# Altium PCB iMX6 Rex Development Baseboard V1I1_PCB.PcbDoc (part 4 of 6)
Units mm, origin at the board's own origin, x right, y up, seen from the top; angles counter-clockwise.
Board outline 135 x 110 mm, 6 copper layers (L1, L2, L3, L4 (PWR), L5, L6), stack 1.542 mm thick; 580 components, 458 nets, 2100 pads, 1201 vias.
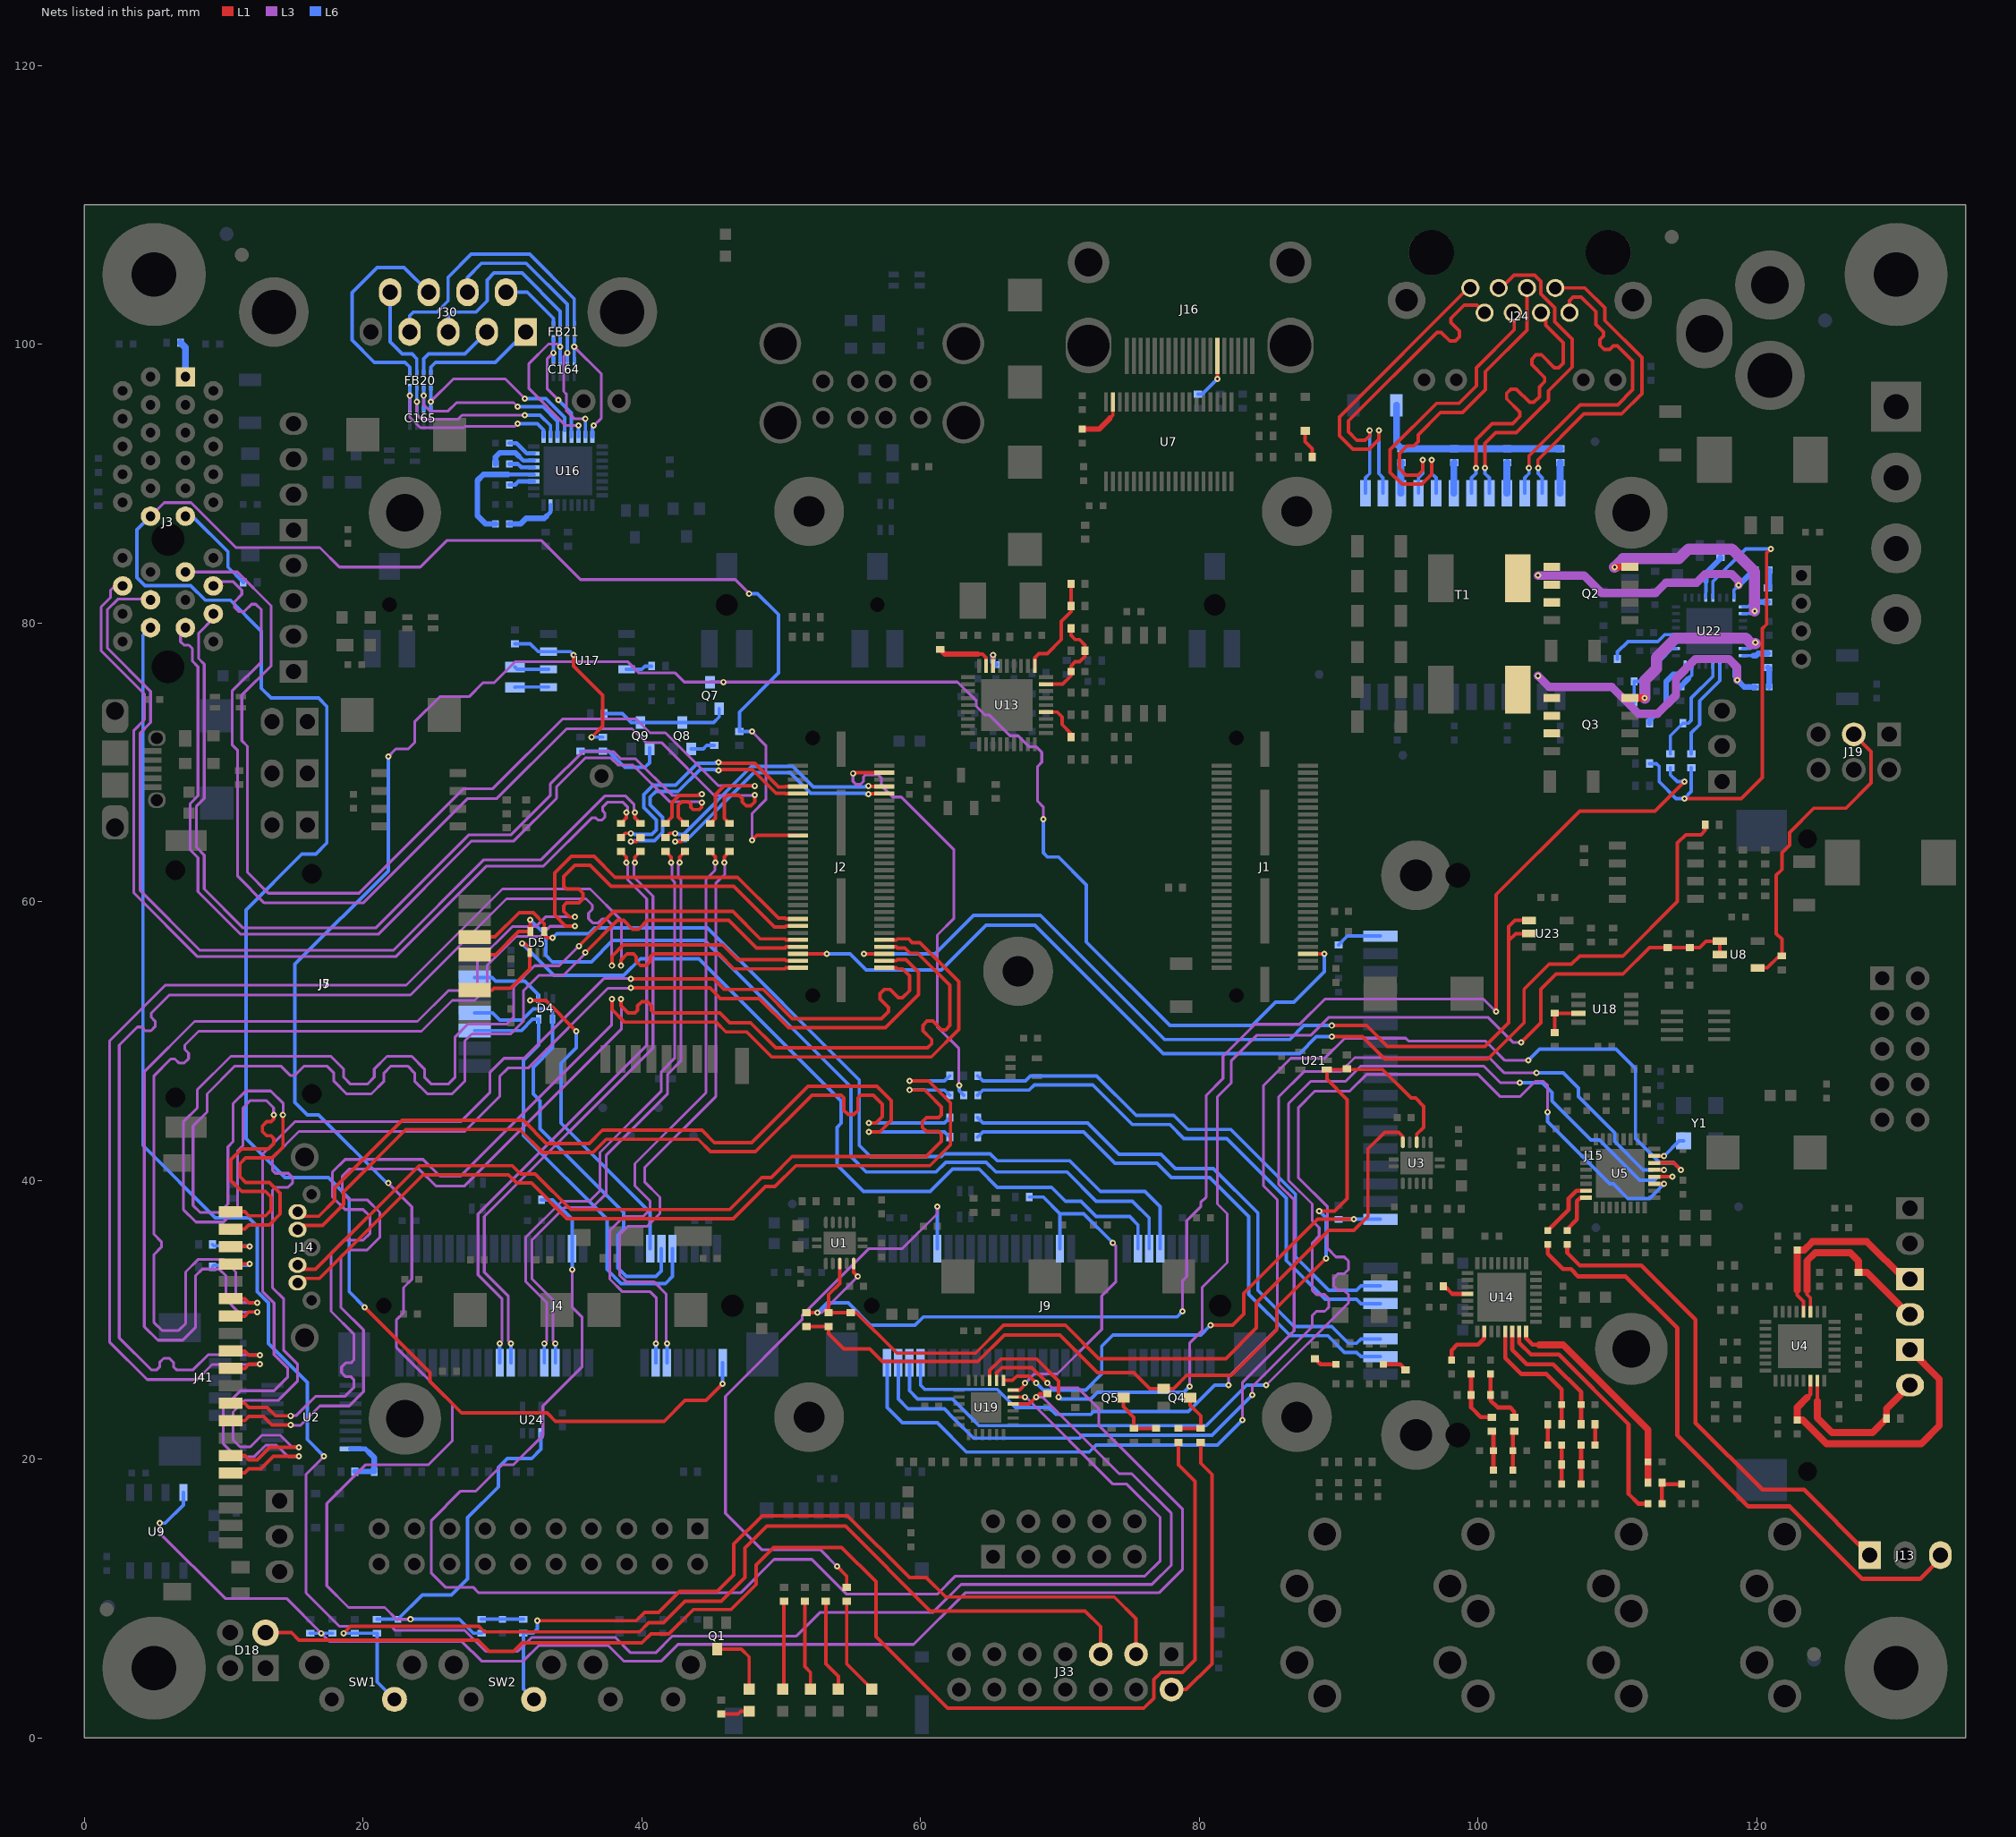
[diagram p8: the nets of this part, all layers, seen from the top]

## Via types
v1: diameter 0.45, hole 0.2, L1 to L6, tented both sides, 1092 vias
v2: diameter 1, hole 0.5, L1 to L6, tented both sides, 109 vias

## Nets (pads, with @x,y where several pads share a name; then routed paths per layer and width w, separated by ;. In a path a pad name is that pad's centre, name@x,y a point inside that pad or via, vN(x,y) a via of type N, cw(c..) or ccw(c..) an arc to the next point about the centre after c; other vN are vias at no path point) (continued)
LED_MPCIE2_WWAN: J9.42 R25.1 | length 44.1
  L1 w0.25: v1(54,12.3) 54.7,11.6 R25.1@54.7,10.8
  L3 w0.2: v1(54,12.3) 52.8,13.5 48.6,13.5 46,16.1 46,24.5 51.5,30 51.5,30.3 56.3,35.1 58.7,35.1 61.2,37.6 v1(61.2,38.1)
  L6 w0.25: J9.42@61.2,35.1 v1(61.2,38.1)
LGATE1_5V: Q2.4 U22.18 | length 16.1
  L1 w0.5: v1(109.8,84) Q2.4@110.895,84
  L3 w0.8: v1(109.8,84) 110.4,84.6 114.4,84.6 115.1,85.3 118.2,85.3 119.85,83.65 v1(119.85,80.85)
  L6 w0.23: U22.18@119,80.65 119.65,80.65 v1(119.85,80.85)
LGATE2_3V3: Q3.4 U22.23 | length 13.3
  L1 w0.5: Q3.4@110.9,74.605 v1@111.965,74.605
  L3 w0.8: v1(111.965,74.61) 111.965,75.869 112.8,76.704 112.8,77.5 114.2,78.9 119.204,78.9 119.579,78.525 v1@119.9,78.525
  L6 w0.23: U22.23@119,78.15 119.55,78.15 119.9,78.5 v1(119.9,78.6)
LINE_IN_C_L: C59.2 J13.3 | length 43.9
  L1 w0.3: C59.2@105,35.4 105,34.725 106.1,33.625 106.675,33.625 107.2,33.1 110.6,33.1 114.3,29.4 114.3,21.7 119.4,16.6 122.376,16.6 127.576,11.4 131.7,11.4 133.18,12.88 J13.3@133.18,13.1
LINE_IN_C_R: C60.2 J13.1 | length 35.6
  L1 w0.3: C60.2@106.4,35.4 106.4,34.8 107.3,33.9 111.7,33.9 115.6,30 115.6,22.6 120.4,17.8 123.4,17.8 J13.1@128.1,13.1
LINE_IN_L: C59.1 U5.15 | length 4.4
  L1 w0.3: C59.1@105,36.4 106.5,37.9 106.5,38.7 107.05,39.25 U5.15@107.75,39.25
LINE_IN_R: C60.1 U5.16 | length 3.1
  L1 w0.3: C60.1@106.4,36.4 106.4,36.5 107.1,37.2 107.1,38.5 107.35,38.75 U5.16@107.75,38.75
LINEIN_L: C133.1 R95.1 U14.14 | length 9.8
  L1 w0.3: U14.14@102.45,29.15 102.45,27.85 103.5,26.8 105.4,26.8 107.4,24.8 C133.1@107.4,23.9 R95.1@107.4,22.5
LINEIN_R: C132.1 R94.1 U14.13 | length 9.4
  L1 w0.3: U14.13@101.95,29.15 101.95,27.25 103.1,26.1 104.9,26.1 106,25 R94.1@106,22.5
"LOCAL_PWR / NON_REM0": R78.2 R82.2 U13.28 | length 7.3
  L1 w0.25: U13.28@68.2,76.9 68.2,77.493 68.4,77.693 68.4,77.7 68.5,77.8 69.1,77.8 70.1,78.8 70.1,80.107 70.8,80.807 R82.2@70.8,81.2 R78.2@70.8,82.8
LVDS0_CABC: J2.6 U23.1 U23.2 | length 64.5
  L1 w0.25: v1(55.93,56.25) J2.6@57.39,56.25 ; v1(89.5,51.1) 92,51.1 93.5,49.6 100.5,49.6 102.2,51.3 102.2,57.2 ; U23.2@103.65,57.7 102.7,57.7 102.2,57.2 ; U23.1@103.65,58.65 102.65,58.65 102.2,58.2 102.2,57.2
  L6 w0.25: v1(55.93,56.25) 61.05,56.25 63.8,59 68.6,59 77.5,50.1 86.5,50.1 87.5,51.1 v1(89.5,51.1)
LVDS0_CLK_N: J2.13 J41.14 | length 96.5
  L1 w0.25: J41.14@10.5,30.25 11.5,30.25 11.8,30.55 v1(12.4,30.55) ; v1(35.2,58.9) 34.8,58.9 34.4,59.3 34.4,59.7 34.6,59.9 35.475,59.9 35.775,60.2 35.775,60.6 35.475,60.9 34.6,60.9 34.4,61.1 34.4,61.8 35.2,62.6 36.3,62.6 37.8,61.1 46.6,61.1 49.525,58.175 50.275,58.175 50.35,58.25 J2.13@51.21,58.25
  L3 w0.2: v1(12.4,30.55) 12.375,30.525 11.075,30.525 10.165,31.435 10.165,33.135 9.665,33.635 8.465,33.635 7.965,33.135 7.965,29.435 7.055,28.525 5.275,28.525 4.3,29.5 4.3,47.79 7.91,51.4 23.9,51.4 26.11,53.61 27.72,53.61 28.2,54.09 28.2,55.7 30.7,58.2 32.4,58.2 33.125,58.925 35.175,58.925 v1(35.2,58.9)
LVDS0_CLK_P: J2.15 J41.15 | length 96.5
  L1 w0.25: J41.15@10.5,31.5 11.5,31.5 11.8,31.2 v1(12.4,31.2) ; v1(35.2,58.25) 34.531,58.25 33.75,59.031 33.75,62.069 34.931,63.25 36.569,63.25 38.069,61.75 46.869,61.75 49.794,58.825 50.275,58.825 50.35,58.75 J2.15@51.21,58.75
  L3 w0.2: v1(12.4,31.2) 12.375,31.225 11.365,31.225 ; v1(35.2,58.25) 35.175,58.225 33.415,58.225 32.69,57.5 30.99,57.5 28.9,55.41 28.9,53.8 28.01,52.91 26.4,52.91 24.19,50.7 8.2,50.7 7.2,49.7 7.2,49.4 7.475,49.125 7.475,48.725 7.175,48.425 6.775,48.425 6.5,48.7 6.2,48.7 5,47.5 5,36.125 5.525,35.6 5.525,35.2 5,34.675 5,29.79 5.565,29.225 6.765,29.225 7.265,29.725 7.265,33.425 8.175,34.335 9.955,34.335 10.865,33.425 10.865,31.725 ; 10.865,31.725 11.365,31.225 ; 10.865,31.725 11.365,31.225
LVDS0_DPS: J41.18 R52.1 R54.2 | length 4.1
  L1 w0.25: J41.18@10.5,35.25 v1(11.85,35.25)
  L6 w0.25: R52.1@9.2,35.4 9.3,35.3 R54.2@10.7,35.3 11.8,35.3 v1(11.85,35.25)
LVDS0_FRC: J41.17 R53.1 R55.2 | length 4.1
  L1 w0.25: J41.17@10.5,34 v1(11.85,34)
  L6 w0.25: R53.1@9.2,33.8 9.3,33.9 R55.2@10.7,33.9 11.75,33.9 v1(11.85,34)
LVDS0_PWM: J2.5 R58.2 | length 82.9
  L1 w0.25: J2.5@51.21,56.25 v1(53.27,56.25) ; v1(89.5,50.3) 91.7,50.3 93.3,48.7 100.7,48.7 103.3,51.3 103.3,53.7 105.1,55.5 106.7,55.5 107.3,56.1 110.4,56.1 114.3,60 114.3,64.2 114.9,64.8 116,64.8 116.3,65.1 R58.2@116.3,65.5
  L6 w0.25: v1(53.27,56.25) 54.95,56.25 56.1,55.1 61.5,55.1 64.7,58.3 68.2,58.3 77.4,49.1 87.2,49.1 88.4,50.3 v1(89.5,50.3)
LVDS0_TX0_N: J2.2 J41.5 | length 96.5
  L1 w0.25: J41.5@10.5,19 11.5,19 11.8,19.3 12.669,19.3 13.569,20.2 v1(15.4,20.2) ; v1(39.2,54.45) 45.15,54.45 45.9,53.7 48.7,53.7 50.8,51.6 57.2,51.6 57.7,52.1 57.7,52.4 57.1,53 57.1,53.4 57.4,53.7 57.8,53.7 58.4,53.1 58.7,53.1 59.2,53.6 59.2,54.665 58.69,55.175 58.325,55.175 58.25,55.25 J2.2@57.39,55.25
  L3 w0.2: v1(15.4,20.2) 15.375,20.175 14.61,20.175 13.785,21 13.015,21 12.19,20.175 10.885,20.175 9.975,21.085 9.975,23.665 11.21,24.9 13.61,24.9 14.6,25.89 14.6,26.51 13.61,27.5 13.61,31.19 12.8,32 12.8,41.9 15.1,44.2 27,44.2 29.105,46.305 29.105,47.75 30.11,48.755 31.555,48.755 37.275,54.475 39.175,54.475 v1(39.2,54.45)
LVDS0_TX0_P: J2.4 J41.6 | length 96.5
  L1 w0.25: J41.6@10.5,20.25 11.5,20.25 11.8,19.95 12.4,19.95 13.3,20.85 v1(15.4,20.85) ; v1(39.2,53.8) 44.881,53.8 45.631,53.05 48.431,53.05 50.531,50.95 57.469,50.95 59.85,53.331 59.85,54.934 58.959,55.825 58.325,55.825 58.25,55.75 J2.4@57.39,55.75
  L3 w0.2: v1(15.4,20.85) 15.375,20.875 14.9,20.875 14.075,21.7 12.725,21.7 11.9,20.875 11.175,20.875 10.675,21.375 10.675,23.375 11.5,24.2 13.9,24.2 15.3,25.6 15.3,26.8 14.31,27.79 14.31,31.48 13.5,32.29 13.5,39.3 13.7,39.5 14.625,39.5 14.93,39.805 14.93,40.205 14.635,40.5 13.71,40.5 13.505,40.705 13.505,41.615 15.39,43.5 27.29,43.5 29.805,46.015 29.805,47.46 30.4,48.055 31.845,48.055 37.565,53.775 39.175,53.775 v1(39.2,53.8)
LVDS0_TX1_N: J2.8 J41.8 | length 96.4
  L1 w0.25: J41.8@10.5,22.75 11.5,22.75 11.8,23.05 12.85,23.05 13.45,22.45 v1(14.8,22.45) ; v1(38.5,53) 38.5,52.519 39.019,52 39.5,52 39.7,52.2 39.7,52.525 40,52.825 40.4,52.825 40.7,52.525 40.7,52.2 40.9,52 45.6,52 46.3,51.3 47.8,51.3 49.6,49.5 60.5,49.5 60.8,49.8 60.8,50.1 60.175,50.725 60.175,51.125 60.475,51.425 60.875,51.425 61.5,50.8 61.8,50.8 62.1,51.1 62.1,54 59.8,56.3 59.25,56.3 58.875,56.675 58.325,56.675 58.25,56.75 J2.8@57.39,56.75
  L3 w0.2: v1(14.8,22.45) 14.825,22.425 15.515,22.425 16.9,23.81 19.01,23.81 20.03,24.83 20.03,29.26 18.4,30.89 18.4,34.5 18.9,35 20.29,35 21.2,35.91 21.2,37.69 20.29,38.6 19,38.6 18.5,39.1 18.5,40.3 19,40.8 24.01,40.8 25.21,39.6 27.29,39.6 38.525,50.835 38.525,52.975 v1(38.5,53)
LVDS0_TX1_P: J2.10 J41.9 | length 96.4
  L1 w0.25: J41.9@10.5,24 11.5,24 11.8,23.7 13.119,23.7 13.719,23.1 v1(14.8,23.1) ; v1(37.85,53) 37.85,52.25 38.75,51.35 45.331,51.35 46.031,50.65 47.531,50.65 49.331,48.85 60.769,48.85 62.75,50.831 62.75,54.269 59.957,57.063 59.407,57.063 59.144,57.325 58.325,57.325 58.25,57.25 J2.10@57.39,57.25
  L3 w0.2: v1(14.8,23.1) 14.825,23.125 15.225,23.125 16.61,24.51 18.72,24.51 19.33,25.12 19.33,25.7 19.13,25.9 18.755,25.9 18.455,26.2 18.455,26.6 18.755,26.9 19.13,26.9 19.33,27.1 19.33,28.97 17.7,30.6 17.7,34.79 18.61,35.7 20,35.7 20.5,36.2 20.5,37.4 20,37.9 18.71,37.9 17.8,38.81 17.8,40.59 18.71,41.5 24.3,41.5 25.5,40.3 27,40.3 37.825,51.125 37.825,52.975 v1(37.85,53)
LVDS0_TX2_N: J2.1 J41.11 | length 96.5
  L1 w0.25: J41.11@10.5,26.5 11.5,26.5 11.8,26.8 v1(12.6,26.8) ; v1(38.5,55.4) 38.5,55.8 38.94,56.24 39.4,56.24 39.6,56.04 39.6,55.715 39.9,55.415 40.3,55.415 40.6,55.715 40.6,56.04 40.8,56.24 45.54,56.24 46.606,55.175 50.275,55.175 50.35,55.25 J2.1@51.21,55.25
  L3 w0.2: v1(12.6,26.8) 12.575,26.775 9.165,26.775 8.09,25.7 4.51,25.7 1.8,28.41 1.8,49.99 5.81,54 23.1,54 30,60.9 36.29,60.9 38.525,58.665 38.525,55.425 v1(38.5,55.4)
LVDS0_TX2_P: J2.3 J41.12 | length 96.4
  L1 w0.25: J41.12@10.5,27.75 11.5,27.75 11.8,27.45 v1(12.6,27.45) ; v1(37.85,55.4) 37.85,56.069 38.671,56.89 45.81,56.89 46.875,55.825 50.275,55.825 50.35,55.75 J2.3@51.21,55.75
  L3 w0.2: v1(12.6,27.45) 12.575,27.475 8.875,27.475 7.8,26.4 6.6,26.4 6.4,26.6 6.4,26.925 6.1,27.225 5.7,27.225 5.4,26.925 5.4,26.6 5.2,26.4 4.8,26.4 2.5,28.7 2.5,49.7 3.8,51 4.1,51 4.375,50.725 4.775,50.725 5.075,51.025 5.075,51.425 4.8,51.7 4.8,52 6.1,53.3 23.39,53.3 30.29,60.2 36,60.2 36.45,59.75 36.45,59.45 36.175,59.175 36.175,58.775 36.475,58.475 36.875,58.475 37.15,58.75 37.45,58.75 37.825,58.375 37.825,55.425 v1(37.85,55.4)
LVDS0_TX3_N: J2.7 J41.19 | length 96.4
  L1 w0.25: J41.19@10.5,36.5 11.5,36.5 11.8,36.8 13.269,36.8 14.05,37.581 14.05,39.069 13.269,39.85 11.569,39.85 11.169,40.25 11.169,41.2 11.569,41.6 13.469,41.6 14.25,42.381 v1(14.25,44.7) ; v1(35.95,56.35) 38.25,58.65 38.7,58.65 39.325,58.025 39.775,58.025 40.4,58.65 46.25,58.65 48.225,56.675 50.275,56.675 50.35,56.75 J2.7@51.21,56.75
  L3 w0.2: v1(14.25,44.7) 14.275,44.725 14.275,45.5 13.365,46.41 11.585,46.41 10.675,45.5 10.675,42.775 10.3,42.4 10.3,38.3 9.7,37.7 8.3,37.7 7.8,38.2 7.8,43.9 8.805,44.905 8.805,46.205 10.8,48.2 14.1,48.2 14.775,47.525 15.1,47.525 15.775,48.2 17.4,48.2 17.9,47.7 17.9,47.11 18.81,46.2 20.59,46.2 21.5,47.11 21.5,47.7 22,48.2 23.2,48.2 23.7,47.7 23.7,47.11 24.61,46.2 26.39,46.2 27.3,47.11 27.3,50 27.805,50.505 30.595,50.505 31.51,51.42 31.51,53.61 32.6,54.7 34.365,54.7 35.95,56.285 v1(35.95,56.35)
LVDS0_TX3_P: J2.9 J41.20 | length 96.4
  L1 w0.25: J41.20@10.5,37.75 11.5,37.75 11.8,37.45 13,37.45 13.4,37.85 13.4,38.8 13,39.2 11.3,39.2 10.519,39.981 10.519,41.469 11.3,42.25 13.2,42.25 13.6,42.65 13.6,43 13.4,43.2 13.075,43.2 12.775,43.5 12.775,43.9 13.075,44.2 13.4,44.2 13.6,44.4 v1(13.6,44.7) ; v1(35.49,56.81) 37.981,59.3 46.519,59.3 48.494,57.325 50.275,57.325 50.35,57.25 J2.9@51.21,57.25
  L3 w0.2: 13.575,45.2 13.575,44.725 v1(13.6,44.7) ; 13.575,45.21 13.075,45.71 11.875,45.71 11.375,45.21 11.375,42.485 11,42.11 11,38.01 9.99,37 8.01,37 7.1,37.91 7.1,44.19 8.105,45.195 8.105,46.495 10.51,48.9 17.69,48.9 18.6,47.99 18.6,47.4 19.1,46.9 20.3,46.9 20.8,47.4 20.8,47.99 21.71,48.9 23.49,48.9 24.4,47.99 24.4,47.4 24.9,46.9 26.1,46.9 26.6,47.4 26.6,50.29 27.515,51.205 30.305,51.205 30.81,51.71 30.81,53.9 32.31,55.4 34.075,55.4 v1@35.488,56.812
LVDS_BLON: R165.1 R166.2 U8.1 U8.2 U19.15 | length 85.3
  L1 w0.24: U19.15@64.95,25.65 64.95,26.2
  L1 w0.25: 64.95,26.2 64.95,26.35 65.783,27.183 68.317,27.183 69.9,25.6 v1(69.9,24.45) ; v1(103.1,49.9) 104.5,51.3 104.5,53.7 105.6,54.8 110.4,54.8 112.3,56.7 R165.1@115.2,56.7 115.9,56.7 116.35,57.15 U8.1@117.35,57.15 U8.2@117.35,56.2
  L3 w0.2: v1(79.3,25.2) 79.3,28.3 80.2,29.2 80.2,32.3 82,34.1 82,37.6 81.3,38.3 81.3,46 82.3,47 82.3,48.6 84.1,50.4 88,50.4 89.3,51.7 100.7,51.7 102.5,49.9 v1(103.1,49.9)
  L6 w0.25: v1(69.9,24.45) 70.05,24.3 72.2,24.3 72.7,24.8 78.9,24.8 v1(79.3,25.2)
LVDS_EN: R167.1 R168.2 U9.4 U19.14 | length 109.6
  L1 w0.24: U19.14@65.45,25.65 65.45,26.175
  L1 w0.25: 65.45,26.175 65.842,26.567 67.983,26.567 v1(69.1,25.45)
  L3 w0.2: v1(5.4,15.4) 5.4,14.7 10.1,10 14.5,10 v1(17,7.5) 17.6,6.9 27.1,6.9 28.5,5.5 31.5,5.5 32.62,6.62 37.58,6.62 38.7,5.5 41.4,5.5 42.6,6.7 59.5,6.7 63.2,10.4 77.1,10.4 78.8,12.1 78.8,16.4 72.8,22.4 72.8,23.6 71.3,25.1 69.45,25.1 v1(69.1,25.45)
  L6 w0.25: v1(5.4,15.4) 5.8,15.4 7.105,16.705 U9.4@7.105,17.6 ; R168.2@16.2,7.5 v1(17,7.5) R167.1@17.8,7.5
MCT0: R87.1 T1.15 | length 2.2
  L6 w0.5: T1.15@94.455,89.302 94.455,91.455 R87.1@94.5,91.5
MCT1: R85.1 T1.21 | length 2.2
  L6 w0.5: T1.21@102.075,89.302 102.075,91.475 R85.1@102.1,91.5
MCT2: R86.1 T1.18 | length 2.2
  L6 w0.5: T1.18@98.265,89.302 98.265,91.465 R86.1@98.3,91.5
MCT3: R84.1 T1.24 | length 2.2
  L6 w0.5: T1.24@105.885,89.302 105.885,91.485 R84.1@105.9,91.5
MCT_CHASSIS: C119.1 R84.2 R85.2 R86.2 R87.2 | length 14.6
  L6 w0.5: C119.1@94.15,95.6 94.15,92.85 R87.2@94.5,92.5 R86.2@98.3,92.5 R85.2@102.1,92.5 R84.2@105.9,92.5
MIC_BIAS: C147.1 R102.2 U14.16 | length 15.8
  L1 w0.3: U14.16@103.45,29.15 103.45,28.65 103.9,28.2 104.4,28.2
  L1 w0.5: 104.4,28.2 106.1,28.2 112.2,22.1 C147.1@112.2,19.8 R102.2@112.2,18.3
MIC_IN: C148.1 U14.15 | length 17.8
  L1 w0.3: U14.15@102.95,29.15 102.95,28.35 103.8,27.5 105.8,27.5 110.8,22.5 110.8,17.5 111.5,16.8 C148.1@112.2,16.8
MODEM_LOUT+: C210.2 J10.1 U4.6 | length 21
  L1 w0.28: 123.6,24.4 123.85,24.65 U4.6@123.85,25.625
  L1 w0.5: 123.6,24.4 122.9,23.7 C210.2@122.9,22.8 123.3,22.8 125,21.1 131.8,21.1 133.1,22.4 133.1,25.74 J10.1@131,27.84
MODEM_LOUT-: J10.2 R156.2 U4.7 | length 11.6
  L1 w0.28: 124.35,24.15 U4.7@124.35,25.625
  L1 w0.5: 124.35,24.15 124.35,22.95 125.4,21.9 128.3,21.9 R156.2@129.3,22.9 129.3,23.6 J10.2@131,25.3
MODEM_ROUT+: C212.2 J12.1 U4.20 | length 14
  L1 w0.25: 122.9,32 122.9,31.75 123.35,31.3 U4.20@123.35,30.575
  L1 w0.5: 122.9,32.1 C212.2@122.9,35 123.4,35 124,35.6 127.9,35.6 130.58,32.92 J12.1@131,32.92
MODEM_ROUT-: J12.2 R155.2 U4.19 | length 13.7
  L1 w0.25: 123.6,32.1 123.6,31.8 123.85,31.55 U4.19@123.85,30.575
  L1 w0.5: 123.6,32.1 123.6,34.2 124.2,34.8 126.7,34.8 127.3,34.2 R155.2@127.3,33.4 127.9,33.4 130.92,30.38 J12.2@131,30.38
MPCIE1_CLK1_N: J4.11 R2.2 | length 44.3
  L1 w0.25: v1(45.925,62.8) 45.925,63.225 R2.2@46.3,63.6
  L3 w0.2: v1(41.8,28.3) 41.75,28.35 41.75,31.84 40.89,32.7 38.9,32.7 38.4,33.2 38.4,36.1 39,36.7 40.39,36.7 41.3,37.61 41.3,38.79 40.2,39.89 40.2,40.9 45.3,46 45.3,61.3 45.95,61.95 45.95,62.775 v1(45.925,62.8)
  L6 w0.25: J4.11@41.8,26.9 v1(41.8,28.3)
MPCIE1_CLK1_P: J4.13 R4.2 | length 44.3
  L1 w0.25: R4.2@44.9,63.6 45.275,63.225 v1(45.275,62.8)
  L3 w0.2: v1(41,28.3) 41.05,28.35 41.05,31.55 40.6,32 38.61,32 37.7,32.91 37.7,36.39 38.71,37.4 40.1,37.4 40.6,37.9 40.6,38.5 39.5,39.6 39.5,41.19 44.6,46.29 44.6,61.59 45.25,62.24 45.25,62.775 v1(45.275,62.8)
  L6 w0.25: J4.13@41,26.9 v1(41,28.3)
MPCIE1_RX_N: J4.23 R7.2 | length 43.3
  L1 w0.25: v1(42.7,62.8) 42.7,63.2 R7.2@43.1,63.6
  L3 w0.2: v1(33.8,28.3) 33.625,28.475 33.625,31.411 32.118,32.918 32.118,35.718 34.45,38.05 36.436,38.05 37.45,39.064 37.45,41.814 41.85,46.214 41.85,47.614 42.8,48.564 42.8,61.586 42.625,61.761 42.625,62.725 v1(42.7,62.8)
  L6 w0.25: J4.23@33.8,26.9 v1(33.8,28.3)
MPCIE1_RX_P: J4.25 R9.2 | length 43.3
  L1 w0.25: R9.2@41.7,63.6 42.1,63.2 v1(42.1,62.8)
  L3 w0.2: v1(33,28.3) 33.175,28.475 33.175,31.225 31.668,32.732 31.668,35.905 34.264,38.5 36.25,38.5 37,39.25 37,42 41.4,46.4 41.4,47.8 42.35,48.75 42.35,61.4 42.175,61.575 42.175,62.725 v1(42.1,62.8)
  L6 w0.25: J4.25@33,26.9 v1(33,28.3)
MPCIE1_SIM_CLK: D4.4 J4.12 J5.C3 | length 33.2
  L6 w0.25: J5.C3@28,52.01 29.29,52.01 29.8,51.5 31.4,51.5 32.2,52.3 33.4,52.3 33.6,52.1 D4.4@33.6,51.55 33.6,49.5 32.2,48.1 32.2,46.2 32.7,45.7 32.7,43.7 38.7,37.7 38.7,36.5 38.275,36.075 38.275,33.725 38.9,33.1 41,33.1 41.4,33.5 J4.12@41.4,35.1
MPCIE1_SIM_DATA: D4.5 J4.10 J5.C7 | length 33.1
  L6 w0.25: J5.C7@28,50.74 31.34,50.74 32.15,51.55 D4.5@32.6,51.55 32.6,49.7 31.5,48.6 31.5,43.2 37.5,37.2 37.5,33.6 38.5,32.6 41.7,32.6 42.2,33.1 J4.10@42.2,35.1
MPCIE1_SIM_RST: D4.1 J4.14 J5.C2 | length 29.3
  L1 w0.25: v1(32,52.9) 33.1,52.9 v1(35.3,50.7)
  L6 w0.25: J5.C2@28,54.55 29.263,54.55 29.513,54.3 31.593,54.3 32.562,53.331 D4.1@32.562,53.05 D4.1@32.412,52.9 ; v1(35.3,50.7) 35.3,49.5 34.2,48.4 34.2,44.1 40.6,37.7 J4.14@40.6,35.1 ; D4.1@32.412,52.9 v1(32,52.9) D4.1@32.412,52.9
MPCIE1_TX_N: J4.31 R12.2 | length 43.2
  L1 w0.25: v1(39.5,62.8) 39.5,63.2 R12.2@39.9,63.6
  L3 w0.2: v1(30.6,28.3) 30.425,28.475 30.425,31.675 28.7,33.4 28.7,37.4 40.8,49.5 40.8,60.386 39.45,61.736 ; 39.425,61.761 39.425,62.725 v1(39.5,62.8)
  L6 w0.25: J4.31@30.6,26.9 v1(30.6,28.3)
MPCIE1_TX_P: J4.33 R16.2 | length 43.2
  L1 w0.25: R16.2@38.5,63.6 38.9,63.2 v1(38.9,62.8)
  L3 w0.2: v1(29.8,28.3) 29.975,28.475 29.975,31.489 28.25,33.214 28.25,37.586 40.35,49.686 40.35,60.2 39,61.55 ; v1(38.9,62.8) 38.975,62.725 38.975,61.575
  L6 w0.25: J4.33@29.8,26.9 v1(29.8,28.3)
MPCIE1_WDISN: J4.20 R73.1 U19.11 | length 107.2
  L1 w0.24: U19.11@66.65,24.45 67.2,24.45
  L1 w0.25: 67.2,24.45 v1(67.5,24.45)
  L3 w0.2: v1(35,33.6) 35,30.9 35.7,30.2 35.7,26.6 32.9,23.8 32.9,21.7 30.8,19.6 30,19.6 28.1,17.7 27,17.7 24.9,15.6 24.9,11.8 25.9,10.8 27.9,10.8 28.3,10.4 47.081,10.4 49.481,12.8 52.2,12.8 54.7,10.3 61.2,10.3 62.5,11.6 76.1,11.6 77.2,12.7 77.2,15.8 74.8,18.2 73.807,18.2 67.557,24.45 v1(67.5,24.45)
  L6 w0.25: R73.1@32.8,38.6 33.6,38.6 35,37.2 J4.20@35,35.1 35,33.7 v1(35,33.6)
MPCIE2_12M_CLK: U5.31 Y1.3 | length 2.5
  L1 w0.25: U5.31@112.65,41.75 v1(113.35,41.75)
  L6 w0.25: v1(113.35,41.75) 114.43,42.83 Y1.3@114.75,42.83
MPCIE2_PCM_CLK: J9.45 U5.30 | length 89.8
  L1 w0.25: U5.30@112.65,41.25 114.05,41.25 v1(114.55,40.75)
  L3 w0.2: v1(82.1,25.3) 82.1,25.9 82.3,26.1 82.307,26.1 85.6,29.393 85.6,38.6 84.6,39.6 84.6,46.793 86.557,48.75 88.993,48.75 90.443,50.2 94.8,50.2 95,50 100.527,50 101.927,48.6 v1(103.6,48.6)
  L6 w0.25: J9.45@60,26.9 60,25.3 60.3,25 65.5,25 66.8,23.7 69.2,23.7 69.7,23.2 72.2,23.2 72.4,23.4 79.2,23.4 81.1,25.3 v1(82.1,25.3) ; v1(103.6,48.6) 104.4,49.4 109.9,49.4 111.3,48 111.3,43 113.05,41.25 114.05,41.25 v1(114.55,40.75)
MPCIE2_PCM_RX: J9.47 U5.27 | length 89.7
  L1 w0.25: U5.27@112.65,39.75 v1(113.35,39.75)
  L3 w0.2: v1(84.8,25.3) 90.7,31.2 90.7,31.8 90.4,32.1 89.95,32.1 89.65,32.4 89.65,33 89.95,33.3 90.4,33.3 90.7,33.6 90.7,34.2 90.4,34.5 89.8,34.5 89.2,35.1 89.2,38.1 87.1,40.2 87.1,45.2 88.3,46.4 90.8,46.4 92,47.6 100,47.6 101.6,46 103,46 104.1,47.1 104.7,47.1 105,46.8 v1(105,44.9)
  L6 w0.25: J9.47@59.2,26.9 59.2,24.9 59.8,24.3 62.3,24.3 63.6,23 63.6,22.993 64.193,22.4 73.266,22.4 80.5,22.4 83.4,25.3 v1@84.6,25.3 ; v1(105,44.9) 105,44.2 109.45,39.75 109.7,39.75 110.75,38.7 112.3,38.7 v1(113.35,39.75)
MPCIE2_PCM_SYNC: J9.51 U5.29 | length 89.7
  L1 w0.25: U5.29@112.65,40.75 v1(113.35,40.75)
  L3 w0.2: v1(83.1,22.8) 83.1,25.5 86.8,29.2 86.8,38.6 85.693,39.707 85.693,45.993 87.5,47.8 90.15,47.8 91.15,48.8 100.8,48.8 101.9,47.7 v1(104.2,47.7)
  L6 w0.25: J9.51@57.6,26.9 57.6,23.7 58.7,22.6 61.2,22.6 63.3,20.5 72.1,20.5 72.6,21 81.3,21 v1(83.1,22.8) ; v1(104.2,47.7) 106.107,47.7 107.2,46.607 107.2,46 109.8,43.4 109.8,42.793 111.843,40.75 v1(113.35,40.75)
MPCIE2_PCM_TX: J9.49 U5.28 | length 89.8
  L1 w0.25: U5.28@112.65,40.25 v1(113.95,40.25)
  L3 w0.2: v1(83.8,24.6) 83.8,25.2 88.1,29.5 88.1,30.3 88.4,30.6 89,30.6 89.3,30.9 89.3,31.5 89,31.8 88.4,31.8 88.1,32.1 88.1,35.5 88.6,36 88.6,36.6 88.1,37.1 88.1,38.3 86.4,40 86.4,45.5 88,47.1 90.5,47.1 91.6,48.2 100.4,48.2 101.6,47 v1(103,47)
  L6 w0.25: J9.49@58.4,26.9 58.4,24.3 59.1,23.6 61.707,23.6 62.4,22.907 62.4,22.9 63.8,21.5 71.4,21.5 71.6,21.7 80.9,21.7 v1(83.8,24.6) ; v1(103,47) 104.6,47 105.3,46.3 105.3,45.7 108.1,42.9 108.7,42.9 111.6,40 112.65,40 112.9,40.25 v1(113.95,40.25)
MPCIE2_SIM_CLK: D5.5 J7.C3 J9.12 | length 66.6
  L1 w0.25: J7.C3@28,56.19 29.5,56.19 31.16,57.85 D5.5@32,57.85 v1(32,58.7)
  L6 w0.25: v1(32,58.7) 33.1,57.6 33.1,56.154 33.579,55.675 36.375,55.675 37.9,57.2 44.5,57.2 55,46.7 55,41.7 56.1,40.6 61.1,40.6 61.8,41.3 64.7,41.3 65.4,40.6 70.5,40.6 72.6,38.5 75.2,38.5 76.4,37.3 J9.12@76.4,35.1
MPCIE2_SIM_DATA: D5.4 J7.C7 J9.10 | length 65.7
  L1 w0.25: J7.C7@28,57.46 29.46,57.46 31.2,59.2 32.207,59.2 33,58.407 D5.4@33,57.85 33,57.6 33.2,57.4 v1(33.6,57.4)
  L6 w0.25: v1@33.6,57.3 v1@33.65,57.35 ; v1(33.6,57.4) 33.9,57.7 36.2,57.7 36.6,58.1 44.7,58.1 55.6,47.2 55.6,42.5 56.4,41.7 61.5,41.7 61.7,41.9 65,41.9 65.5,41.4 70.7,41.4 72.9,39.2 76.1,39.2 77.2,38.1 J9.10@77.2,35.1
MPCIE2_SIM_RST: D5.1 J7.C2 J9.14 | length 66.5
  L1 w0.25: J7.C2@28,53.65 29.25,53.65 29.38,53.78 30.58,53.78 31.962,55.162 31.962,56.638 31.6,57 v1(31.4,57)
  L6 w0.25: v1(31.4,57) 33.7,54.7 38.7,54.7 39.9,55.9 44.1,55.9 54.3,45.7 54.3,44.1 54,43.8 54,41.1 55.9,39.2 60.693,39.2 62.293,40.8 64.2,40.8 65.5,39.5 69.4,39.5 70.4,38.5 71.5,38.5 72.6,37.4 75,37.4 75.6,36.8 J9.14@75.6,35.1
MPCIE2_WDISN: J9.20 R150.1 U19.12 | length 24.8